# KiCad board bottom-board.kicad_pcb (continued)
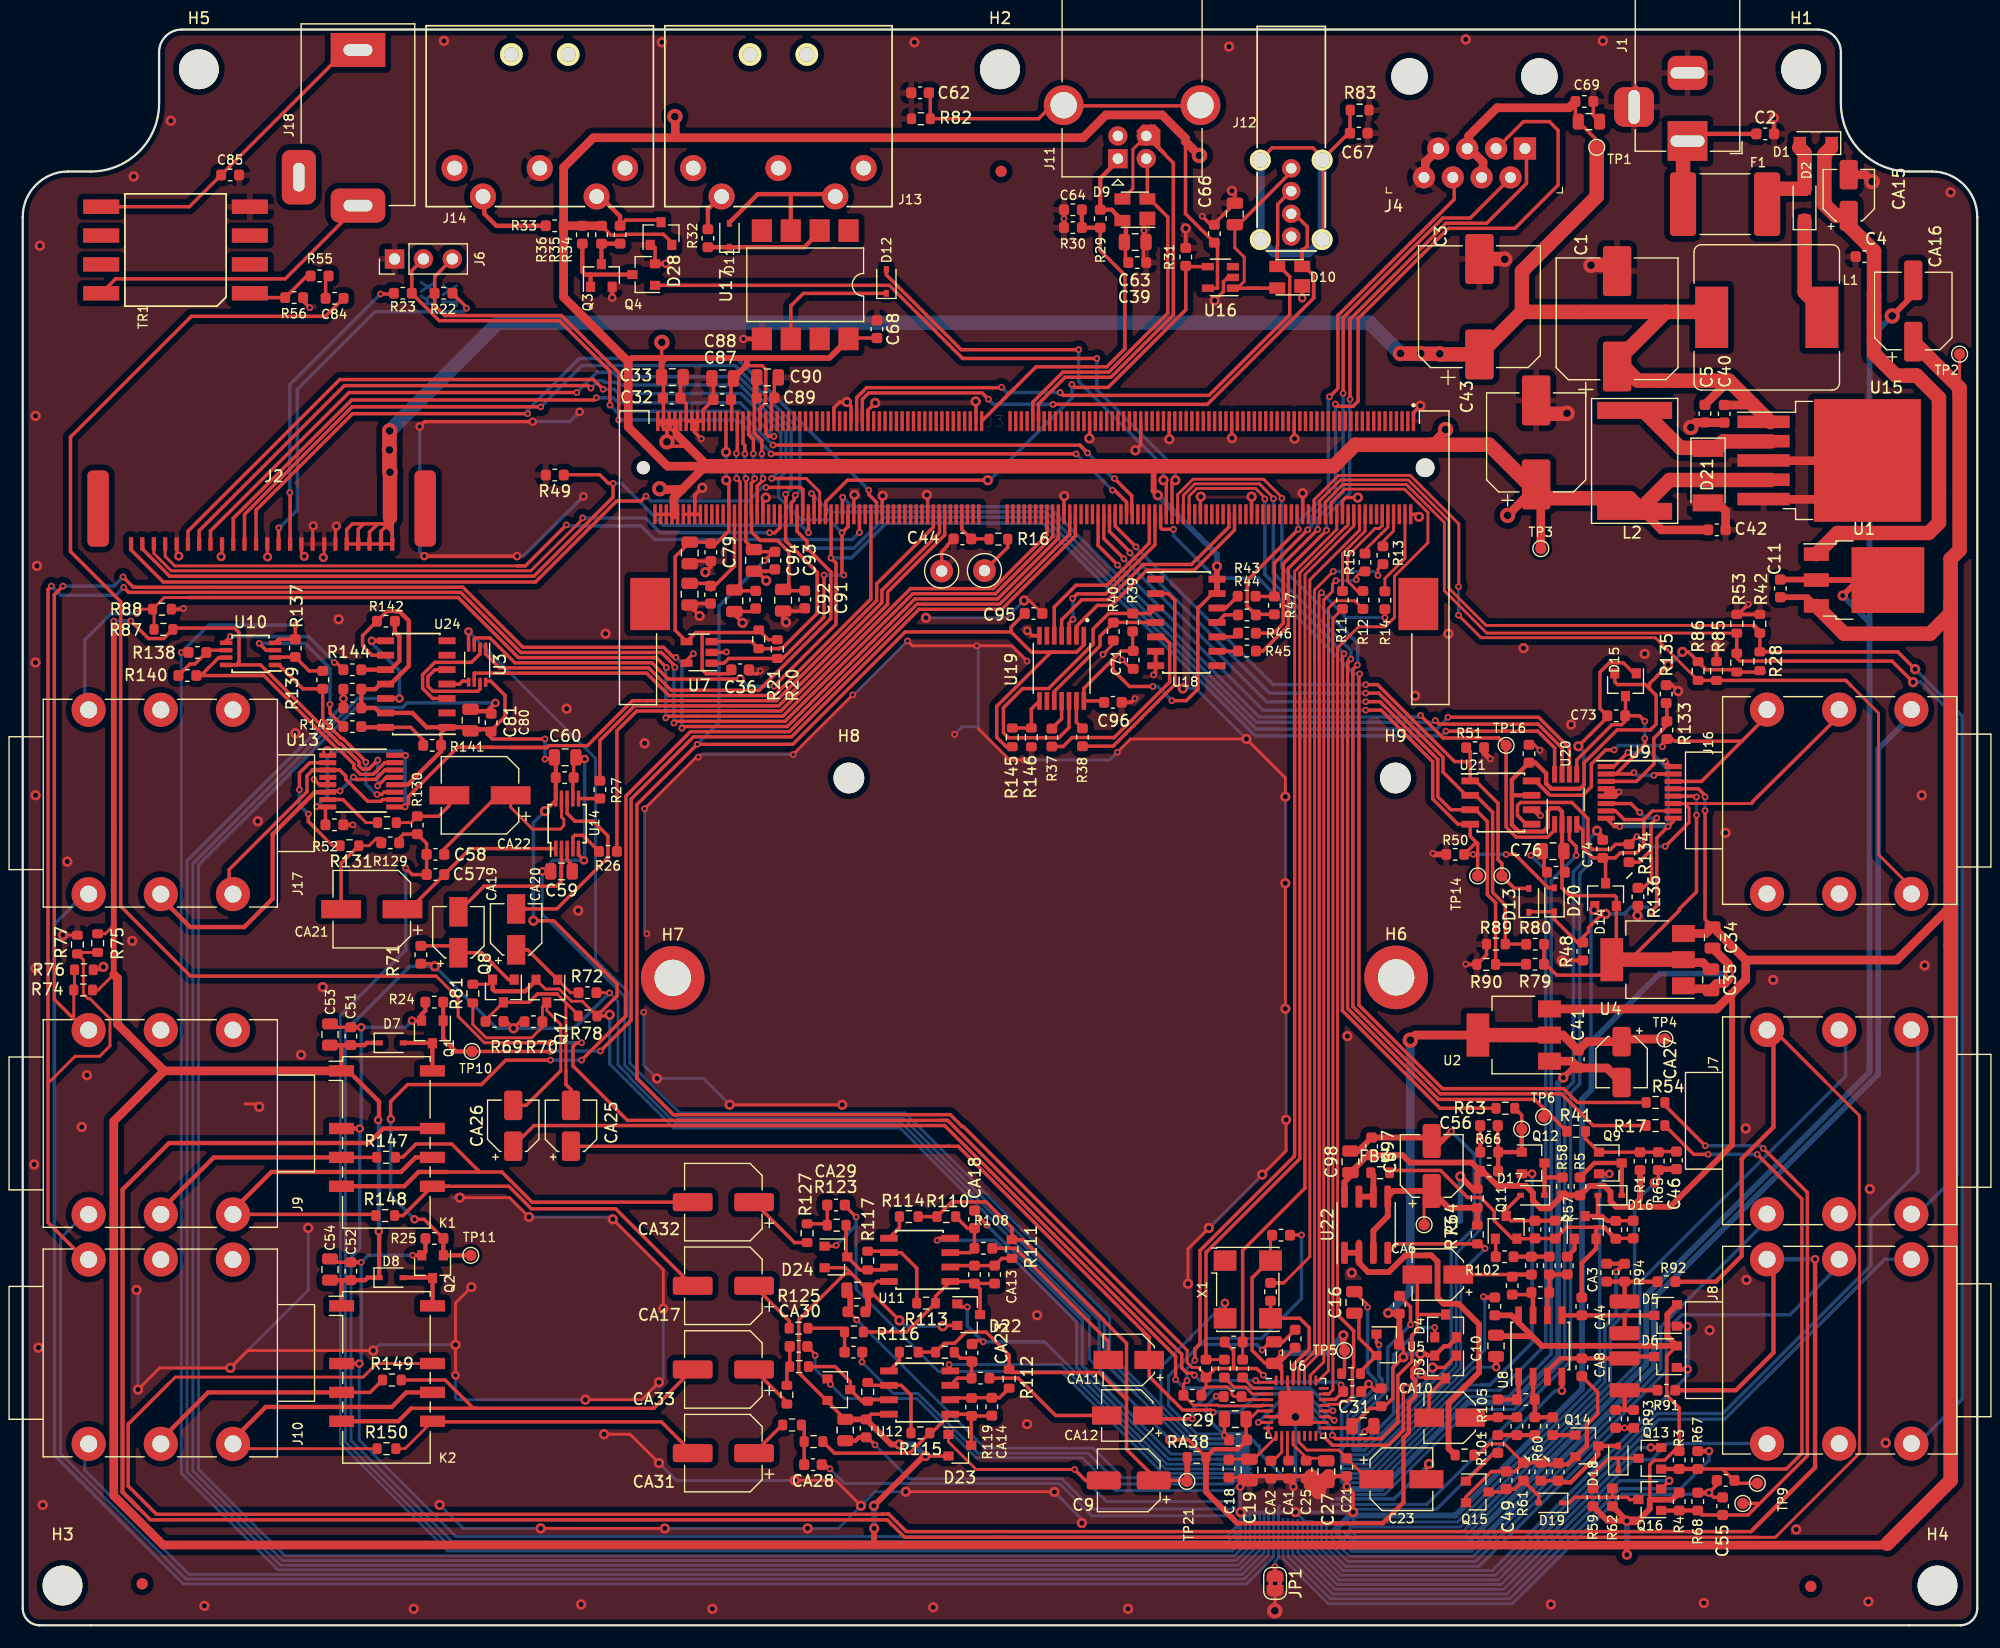
[diagram p0: board, top side]
## Routing (per net, layer and track width the routed paths; a pad name or vN(x,y) marks a point on that pad's centre or on a via; arc(x,y) is an arc through that point) (continued)
+5VD: length 357.2
  Top w0.305: 96.67,85.78 C71.1 97.67,85.83 R39.1 ; 96.67,85.78 95.95,85.06 95.95,84.11 97.39,82.66 v2(99.45,82.66) ; 96.67,85.78 93.37,82.49 U19.14 95.03,81.39 C96.1 ; J3.223 64.89,107.15 65.36,107.63 65.36,109.14 65.39,109.17 65.39,110.58 65.07,110.9 63.66,110.9 C88.1 62.33,109.57 C87.2 62.39,107.86 J3.233 ; U16.5 105.13,117.73 105.14,117.74 105.14,121.47 102.32,124.29 102.32,130.92 ; C33.1 56.39,109.73 J3.257 57.56,104.85 57.56,104.79 57.56,105.85 J3.253 56.69,105.32 v3(56.69,104.2) ; v3(56.69,104.2) 57.07,103.82 58.53,103.82 ; v3(56.69,104.2) 56.69,105.21 J3.259 J3.251 ; v3(56.25,112.96) 56.22,112.93 56.22,111.18 ; v2(101.13,81.41) 102.4,81.41 103.41,82.43 103.41,89.62 103.49,89.62 104.71,90.84 U18.13 ; U17.8 72.75,113.34 C68.2 ; J3.252 J3.260 ; 57.13,121.72 56.38,122.48 53.13,122.48 53.04,122.39 51.77,122.39 R35.1
  Top w0.508: 71.27,111.86 U17.8 70.98,111.58 63.73,111.58 ; U18.13 U18.14 105.09,92.11 v1(105.09,93.22) ; 53.28,111.25 53.61,111.58 56.61,111.58 ; 56.61,111.58 63.73,111.58 ; 56.61,111.58 56.22,111.18 C33.1 ; 63.73,111.58 63.73,110.97 C88.1 ; 99.52,102.05 99.52,99.86 v1(99.88,99.5)
  Top w0.762: 60.07,102.05 60.29,102.05 57.56,104.79 ; 60.07,102.05 58.02,100.01 ; 60.07,102.05 56.74,102.05 53.28,105.51 53.28,111.25 47.6,116.93 R33.2 ; R33.2 47.6,128.36 50.21,130.97 57.43,130.97 ; R33.2 R35.1 ; 58.02,100.01 56.12,100.01 v3(56.06,100.07) ; 58.02,100.01 57.31,99.29 57.31,97.75 ; v3(57.39,132.84) 57.43,132.8 57.43,130.97 ; 57.43,130.97 93.32,130.97 95.32,132.98 100.27,132.98 102.32,130.92 102.32,130.64 v3(103.55,129.41) ; C42.1 144.2,96.45 142.57,98.08 ; 133.73,99.27 133.59,99.13 TP3.1 ; v3(130.67,97.72) 132.19,99.24 133.16,99.24 ; 123.94,103.94 125.21,105.21 v3(125.21,105.28) 125.18,105.25
  Top w1.27: 142.57,98.08 141.41,99.24 133.41,99.24 ; L2.2 142.16,98.08 144.92,100.84 153.86,100.84 ; 129.47,103.53 133.73,99.27 129.05,103.94 117.26,103.94 115.37,102.05 60.07,102.05
  Bottom w0.305: v2(101.13,81.41) 99.88,82.66 v2(99.45,82.66)
  Bottom w0.508: v1(105.09,93.22) 105.09,94.29 v1(99.88,99.5)
+5VP: length 102.8
  Top w0.305: 141.45,58.6 145.79,62.95 145.79,63.08 147.29,64.58 v2(147.29,71.33) ; 143.16,82.45 143.74,81.88 143.74,79.34 143.23,78.83 140.31,78.83 137.4,75.93 137.4,74.03 137.01,73.64 ; 143.16,82.45 142.79,82.83 140.33,82.83 140.1,83.06 D15.2 ; 143.16,82.45 143.16,82.91 143.81,83.56 ; 143.81,83.59 v1(144.79,84.56) ; R80.2 133.87,59.95 R79.2 134.03,58.2 134.99,57.25 138.92,57.25 ; 140.24,59.01 D14.2 140.24,64.08 140.08,64.24 136.13,64.24 135.46,64.91 135.46,66.75 ; R28.2 153.12,84.06 153.25,83.93 R84.2 150.62,84.14 148.13,84.14 R86.2 146.57,85.71 v1(146.06,85.71) ; v2(147.29,72.93) 147.22,73 U9.12
  Top w0.381: 137.01,73.64 134.52,73.64 134.06,74.1 134.06,75.02 133.12,75.95 C77.2 131.05,74.45 131.05,73.07 ; 131.05,73.07 U21.7 ; 131.05,73.07 131.05,70.48 131.64,69.88 133.82,69.88 134.21,70.27 134.21,71.68 134.46,71.93 135.15,71.93 135.46,71.62 U20.2 135.46,68.35 135.46,68.35 135.46,66.75
  Top w0.762: U4.2 146.39,58.35 147.84,58.35 148.57,57.61
  Top w1.27: U4.2 U4.2
  Bottom w0.305: v1(144.79,84.56) 144.92,84.56 v1(146.06,85.71) ; v2(147.29,72.93) v2(147.29,71.33)
+10V: length 710.4
  Top w0.254: R75.2 7.27,60.89 8.01,61.63 ; 8.01,57.31 6.64,55.94 R74.2 ; TP2.1 170.44,108.94
  Top w0.305: D24.2 72.41,31.48 72.93,30.96 ; U13.13 31.98,74.65 v2(31.23,73.9) ; C14.2 74.68,18.59 U12.8 ; v2(9.51,88.43) 11.06,86.88 12.4,86.88 R87.2 13.32,87.8 18.64,87.8 19.03,87.4 19.03,84.83 18.76,84.55 U10.8 20.93,84.55 26.32,79.16 ; 27.65,77.84 27.86,77.62 27.98,77.62 ; 27.65,77.84 27.67,77.81 ; 27.65,77.84 26.32,79.16 ; D22.2 81.03,26.4 v1(80.96,26.33) ; C38.1 70.82,19.69 D25.2 70.73,19.8 68.3,22.23 68.3,26.9 72.36,30.96 72.93,30.96 ; U9.13 147.46,73.65 148.04,73.07 v2(148.04,72.93) ; v1(77.15,26.84) 74.5,29.5 C13.1 ; D23.2 v1(79.44,14.9) ; U11.8 75.17,30.27 C13.1 ; D6.2 144.68,23.72 144.68,20.24 145.77,19.15 R3.1 145.29,15.34 144.49,14.54 143.57,14.54 143.18,14.14 143.18,11.06 ; 26.32,79.16 27.9,77.58 28.02,77.58 29.59,76.02 29.59,75.7 29.9,75.38 30.45,75.38 v2(31.24,76.18) ; 72.93,30.96 C13.1 ; v2(148.04,71.73) 148.04,62.16 C34.1 ; 74.52,7.07 72.91,7.07
  Top w0.381: v4(31.33,34.68) 31.37,34.64 D8.1 30.36,30.61 30.13,30.39 C52.2 28.06,30.39 ; C53.1 28.05,51.08 ; 28.05,51.08 28.87,51.08 C51.2 30.07,51.08 30.27,51.28 D7.1 ; 28.05,51.08 28.05,51.08 K1.1 28.65,48.82 31.35,46.11 31.35,44.56 v4(31.28,44.48) ; K2.1 28.06,30.39 28.06,30.39 ; 28.06,30.39 C54.1
  Top w0.508: 74.39,27.64 74.39,29.49 ; v1(74.9,10.53) 79.28,14.9 v1(79.44,14.9) ; 8.01,57.31 v2(8.01,88.42) ; R2.1 128.48,39.99 129.78,38.69 132.28,38.69 132.9,38.07 132.9,37.4 133.59,36.71 134.35,36.71 R58.1 135.5,37.85 R5.1 137.87,38.68 139.19,38.68 139.73,38.15 139.73,37.34 140.22,36.84 141.63,36.84 ; R2.1 128,39.73 R64.1 127.62,38.41 v1(126.51,39.52) ; R2.1 127.51,40.74 122.09,40.74 121.44,41.39 C97.2 118.38,41.39 C98.1 116.84,39.57 116.31,39.04 116.31,37.75 U22.8 ; 132.83,25.46 133.68,24.6 D6.2 144.73,25.44 144.73,27.38 D5.2 ; 132.83,25.46 129.73,25.46 C10.1 ; 132.83,25.46 131.64,26.65 ; R4.1 145.15,11.06 143.18,11.06 143.18,10.24 142.14,9.2 ; 131.64,26.65 130.99,27.29 C37.2 ; 131.64,26.65 U8.8 ; U1.3 157.07,90.52 C11.1 ; v1(141.17,6.22) 141.17,7.06 ; v1(74.93,8.53) 74.91,8.52 74.91,7.07 ; C38.1 C14.2 76.42,15.92 v1(77.15,15.92) ; 141.63,36.84 142.32,37.53 R1.1 ; 141.63,36.84 144.97,36.84 150.42,42.28 150.42,55.62 ; R62.1 139.9,10.47 v1(141.17,9.2) 139.46,9.2 R59.1
  Top w0.762: 151.63,58.57 C34.1 148.11,60.9 U4.3 ; 151.63,58.57 164.92,58.57 169.66,63.3 169.66,65.59 ; 151.63,58.57 151.63,56.83 149.06,54.27 U2.3 ; 12.45,48.82 8.34,52.92 8.34,56.98 8.01,57.31 ; 12.45,48.82 8.01,44.38 8.01,11.41 12.35,7.07 116.25,7.07 116.26,7.06 163.96,7.06 164.07,7.17 ; 12.45,48.82 K1.1 ; 142.14,9.2 v1(141.17,9.2)
  Top w1.27: 169.66,93.88 169.73,93.95 ; 169.66,93.88 170.44,94.67 170.44,108.94 CA16.1 ; 169.66,93.88 169.66,89.95 ; 169.66,89.95 169.66,12.76 164.07,7.17 ; 169.66,89.95 169.66,89.11 167.85,87.31 160.28,87.31 U1.3
  Bottom w0.305: v2(31.23,73.9) 31.23,76.17 v2(31.24,76.18) ; v2(148.04,72.93) v2(148.04,71.73) ; v1(80.96,26.33) 77.66,26.33 v1(77.15,26.84) ; v2(9.51,88.43) 8.02,88.43 v2(8.01,88.42)
  Bottom w0.381: v4(31.33,34.68) 31.35,34.7 31.35,44.41 v4(31.28,44.48)
  Bottom w0.508: v1(141.17,6.22) 141.17,6.22 v1(141.17,9.2) ; v1(126.51,39.52) 126.51,35.63 126.47,35.59 ; v1(77.15,15.92) 78.42,15.92 v1(79.44,14.9) ; v1(74.93,8.53) 74.93,10.5 v1(74.9,10.53)
+12V: length 222.8
  Top w0.305: 32.1,96.67 32.52,96.25 32.52,96.07 ; 32.1,96.67 32.15,96.67 32.24,96.76 ; 32.1,96.67 31.99,96.78 ; 32.24,96.76 32.29,96.81 ; 32.24,96.76 32.52,96.48 ; 32.24,96.76 32.22,96.78 31.99,96.78 ; 31.99,96.78 31.53,96.32 J2.23 ; 31.99,96.78 31.79,96.98 ; C70.1 136.64,132.65 C69.1 138.51,130.77 TP1.1 ; J2.22 30.52,96.25 31.25,96.98 ; J2.22 J2.21 ; J2.22 J2.23 ; 31.79,96.98 32.32,97.52 32.52,97.31 32.52,96.48 ; 31.79,96.98 31.25,96.98 ; 32.52,96.07 32.52,96.48 ; 32.52,96.07 J2.24 J2.23 ; J2.23 31.53,96.09 ; 30.01,96.98 29.02,96.98 28.51,96.48 J2.20 J2.21 ; 30.01,96.98 31.25,96.98 ; 30.01,96.98 29.52,96.5 J2.21
  Top w0.762: 128.51,127.57 128.51,128.84 127.24,130.11 127.24,131.12 129.73,133.61 136.08,133.61 C70.1 ; 152.29,107.45 152.28,107.44 C40.1 ; 150.15,109.59 148.03,107.47 C5.1
  Top w1.27: 144.59,115.64 131.93,115.64 ; 144.59,115.64 140.33,111.38 142.12,109.59 150.15,109.59 153.8,105.94 ; 144.59,115.64 148.84,115.64 ; v3(121.24,111.97) v3(123.02,111.97) 123.05,111.94 v3(124.7,111.94) 124.75,111.9 C3.1 131.93,115.64 ; 131.93,115.64 131.93,119.21 138.51,125.79 TP1.1 ; 32.32,97.52 v3(32.32,101.53) 32.27,101.58 v3(32.27,103.49) 32.27,105.14 v3(32.29,105.16)
  Bottom w1.27: v3(124.7,111.94) 121.27,111.94 v3(121.24,111.97) 118.53,114.69 41.82,114.69 v3(32.29,105.16) 32.32,105.14 v3(32.32,101.53)
GNDA: length 4391.8
  Top w0.25: 116.9,41.39 116.88,41.41
  Top w0.254: 105.01,20.15 105.02,20.14 C22.1 ; R72.1 51.61,55.7 v2(51.63,55.68) ; U6.30 111.3,21.06 111.41,20.95 111.41,19.75 U6.33 113.3,17.86 U6.18 ; v2(71.03,13.77) 70.66,14.14 CA28.1 ; v2(71.08,21.22) 70.82,21.48 D25.1 ; D23.1 81.47,16.15 83.9,13.72 v2(92.57,13.72) ; CA2.2 109.46,12.91 109.45,12.92 CA1.2 ; C19.2 107.69,13 C18.1 ; v2(81.52,22.96) 81.63,22.85 U12.4 ; v2(110.2,5.16) 110.2,4.35 JP1.1 ; v2(73.85,23.18) 73.87,23.21 CA24.1 ; C12.1 72.68,27.6 v2(73.39,26.89) ; v2(118.35,28) 118.35,28.21 C16.2 ; CA30.1 69.73,23.87 v2(69.73,23.76)
  Top w0.305: v2(112.53,34.37) 112.53,34.36 111.7,34.36 ; U11.4 80.65,34.08 v2(80.46,33.89) ; v2(118.09,17.05) 118.58,17.53 C31.2 ; v4(116.53,12.2) 117.08,11.65 v1(117.08,9.96) ; v1(36.26,58.02) 36.03,58.25 R71.1 ; v1(138.54,69.96) 139.04,69.46 C74.2 ; C76.2 133.08,68.15 v2(132.71,67.79) ; v2(92.57,13.72) 93.53,12.76 C9.2 ; U14.7 48.41,74.56 C61.2 48.48,76.27 ; U20.3 136.11,69.17 136.71,68.57 v2(136.71,67.79) ; C14.1 74.33,16.55 v2(75,15.88) ; D24.1 71.51,33.38 v2(71.59,33.46) ; C55.1 148.81,11.26 v4(148.39,11.68) 149.08,12.37 C45.1 ; D3.1 125.11,22.7 v1(124.06,22.7) ; C54.2 27.34,31.96 C52.1 ; U22.4 120.92,33.59 R73.2 128.28,33.59 v2(128.69,33.18) ; C51.1 27.34,52.66 C53.2 ; v2(84.52,24.96) 84.41,25.06 83.5,25.06 ; v4(128.26,42.67) 128.26,43.99 C56.1 ; 72.35,36.94 v2(73.34,35.95) ; v1(138.28,62.98) 138.34,63.04 D14.1 ; C23.2 123.52,13.97 v1(123.76,14.21) ; v4(118.44,21.25) 119.03,20.67 119.45,20.67 ; D15.1 141.78,83.82 140.85,84.74 139.63,84.74 138.8,83.91 138.8,80.72 C73.2 139.44,79.94 v1(136.89,77.4) ; X1.2 105.8,28.38 v4(105.8,28.39) ; CA18.2 83.75,36.33 v2(84.85,35.24) ; U6.33 112.05,18.39 v3(112,18.35) ; U6.33 111.3,18.36 U6.6 ; U6.33 111.3,19.86 ; v2(122.12,26.47) 122.12,28.03 C15.2 ; v1(143.62,38.97) 143.93,39.28 R65.1 ; 133.88,68.19 133.88,68.35 133.88,66.75 ; v2(24,88.07) 23.99,88.05 R137.1 22.52,86.82 U10.4 ; D22.1 82.52,28.02 v2(83.12,28.02) ; U14.5 48.91,67.83 v4(49.39,67.35) ; R138.1 v2(13.95,85.66) ; v2(119.34,24.7) 119.13,24.91 U5.1 ; v4(39.23,87.51) 39.23,87.5 39.23,86.23 ; D4.1 124.26,26.22 v2(124.25,26.22) ; v4(144.89,12.73) 144.89,12.73 Q16.2 ; v2(33.7,66.67) 34.27,66.1 C57.1 C58.1 35.54,68.83 R130.2 33.51,69.66 33.13,69.28 ; C28.1 v2(105.75,16.72) C29.2 ; R70.1 43.77,53.14 v1(43.19,52.56) 42.58,53.17 R69.1 ; v2(109.08,24.24) 109.8,24.96 C26.2 110.92,24.96 C24.1
  Top w0.381: R93.1 v2(140.97,17.38) CA7.1 ; CA3.1 R94.1 140.93,31.84 v2(140.22,31.12) ; C14.1 73.58,16.55 73.28,16.25 C38.2 ; K2.3 v4(29.62,23.04) ; v4(41.6,81.21) 40.89,80.5 40.89,80.49 40.88,80.48 39.23,80.48 ; Q9.2 139.62,39.76 v4(139.62,39.75) ; v4(135.45,20.64) 135.45,20.64 U8.4 ; 46.62,66.38 v4(45.72,66.38) ; C20.1 118.44,21.24 v4(118.44,21.25) ; v2(29.79,31.96) 29.78,31.96 C52.1 ; U24.8 v4(30.72,86.68) ; R67.1 148.39,15.34 v4(148.39,15.34) ; v4(107.14,12.2) 107.14,12.21 107.14,13.13 C21.1 116.52,12.21 v4(116.53,12.2) ; C37.1 128.58,28.87 128.58,28.89 v2(128.53,28.94) ; D5.1 v4(146.49,26.33) ; 111.83,13.13 111.83,12.21 v4(111.82,12.2) ; R66.1 128.26,42.67 v4(128.26,42.67) ; v2(34.32,32.57) Q2.2 35.44,32.9 R25.2 ; C82.1 v4(28.22,81.59) C83.1 ; K1.3 v4(29.65,43.74) ; 48.48,76.27 49.45,76.27 v4(49.45,76.27) ; 144.19,15.65 v4(143.27,15.65) ; v4(132.83,39.76) Q12.2 ; R68.1 148.39,11.68 v4(148.39,11.68) ; v4(29.79,52.65) 29.79,52.66 C51.1 ; 145.57,22.54 v4(146.52,22.54) ; R24.2 35.43,54.12 35.1,53.79 Q1.2 34.26,53.24 v4(34.26,53.23) ; U24.12 v4(33.15,81.6)
  Top w0.508: 72.82,27.64 72.82,29.2 C13.2 ; 129.66,23.77 129.66,22.73 v4(129.66,22.72) ; R65.1 144.01,40.16 C46.1 ; 123.99,42.41 124.63,42.41 v2(125.71,43.49) ; v1(160.16,90.66) 161.53,92.03 U1.2 U1.2 157.8,92.07 C11.2 ; C41.2 136.42,49.07 v1(135.57,48.22) ; C98.2 117.52,41.76 118.7,42.94 123.69,42.94 C6.2 ; v3(164.51,115.28) 166.37,117.14 CA16.2
  Top w0.762: C34.2 150.1,58.22 150.1,56.83 149.77,56.5 149.04,56.5 148.57,56.04 146.4,56.04 U4.1 ; U2.1 136.29,49.67 C41.2 139.42,49.07 CA27.2
  Top w1.27: 114.95,13.13 114.03,12.21 114.03,11.74 113.39,12.38 113.39,13.13
  Bottom w0.254: 126.54,31.01 126.54,22.66 118.46,14.59 116.25,14.59 ; 116.06,13.44 116.15,13.35 118.96,13.35 126.77,21.16 128.36,21.16 ; v2(13.95,85.66) 13.95,13.39 ; 109.03,25.25 104.15,25.25 103.55,24.65 ; 109.64,9.96 109.64,6.22 107.52,4.1 107.52,4.07 14.37,4.07 3.34,15.11 3.34,34.07 5.46,36.19 ; 109.64,9.96 110.08,9.96 ; 109.64,9.96 109.24,9.96 ; 116.93,8.27 117.36,7.84 126.95,7.84 127.51,8.41 ; 116.93,8.27 116.79,8.41 116.79,8.95 ; 116.93,8.27 126.74,8.27 127.21,8.74 ; 109.24,7.26 109.24,6.39 108.52,5.67 108.51,5.67 107.31,4.48 14.64,4.48 5.46,13.66 5.46,16 ; 109.24,7.26 109.24,6.45 ; 109.24,7.26 109.24,9.96 ; 127.64,6.07 116.75,6.07 115.16,7.66 115.16,8.29 115.73,8.86 ; 27.95,53.7 27.95,16 37.41,6.53 106.44,6.53 107.17,7.27 107.17,8.36 ; 116.06,13.81 116.1,13.77 118.79,13.77 127.74,22.72 v4(129.66,22.72) ; 110.08,9.96 v1(112,9.96) 112.82,9.14 113.48,9.14 ; 110.08,9.96 110.08,6.03 107.69,3.64 14.13,3.64 9.65,8.12 ; 97.67,17.8 100.85,14.62 105.09,14.62 ; 130.43,4.57 129.85,3.99 115.84,3.99 113.07,6.76 113.07,9.13 ; 107.17,8.36 107.17,7.97 ; 107.17,8.36 107.17,8.6 ; v2(73.34,35.95) 73.34,29.58 80.56,22.36 91.36,22.36 100.35,13.37 108.14,13.37 ; 100.17,19.37 95.65,23.9 95.65,27.11 77.66,45.1 57.83,45.1 53.41,49.52 53.41,55.61 50.42,58.6 50.42,76.32 v4(39.23,87.51) ; 100.17,19.37 103.12,16.43 103.63,16.43 ; 100.17,19.37 100.17,22.76 v4(105.8,28.39) ; 111.34,9.32 111.34,6.05 115.05,2.34 130.86,2.34 131.77,3.25 ; v2(73.39,26.89) 84.68,15.6 94.19,15.6 96.81,12.99 108.1,12.99 ; 114.73,8.91 114.73,7.49 116.59,5.63 127.85,5.63 ; 114.73,8.91 115.15,8.91 ; 114.73,8.91 114.32,8.91 114.3,8.93 ; 116.79,8.95 117.08,8.65 126.48,8.65 126.78,8.95 ; 116.79,8.95 116.57,9.16 ; 112.2,9.25 112.2,6.45 115.47,3.18 130.33,3.18 131.21,4.05 ; 106.65,10.9 95.38,10.9 v2(92.57,13.72) ; 103.44,15.98 102.99,15.98 98.31,20.67 ; 109.24,9.96 108.85,9.96 ; 108.85,9.96 108.85,6.61 107.12,4.88 22.46,4.88 14.39,12.95 ; 108.85,9.96 108.44,9.96 ; 107.17,8.6 v1(107.17,9.96) ; 107.17,8.6 106.7,8.6 105.9,7.8 38.13,7.8 29.62,16.31 v4(29.62,23.04) ; 13.95,13.39 14.39,12.95 ; 13.95,13.39 14.39,12.95 ; 116.26,12.47 116.33,12.54 119.33,12.54 126.93,20.14 130.76,20.14 ; 114.3,8.93 114.3,7.3 116.39,5.2 128.14,5.2 ; 114.3,8.93 113.99,8.93 ; 105.99,16.85 103.32,16.85 100.82,19.35 100.82,21.93 ; v2(51.63,55.68) 52.38,54.94 52.38,49.34 53.41,48.3 53.41,48.23 57.45,44.2 77.36,44.2 94.73,26.83 94.73,26.23 ; 131.25,19.01 127.33,19.01 119.82,11.5 116.15,11.5 ; 107.14,10.79 107.14,10.8 ; 14.46,67.3 14.46,13.51 22.68,5.29 106.94,5.29 108.44,6.79 108.44,9.96 ; v2(84.52,24.96) 89.93,24.96 95.45,19.44 95.45,19.4 100.67,14.18 105.31,14.18 ; 130.16,4.96 129.6,4.4 116.01,4.4 113.48,6.93 113.48,9.14 ; v1(107.17,9.96) 108,9.96 ; v1(107.17,9.96) 107.17,9.62 ; 108,9.63 107.64,9.63 107.59,9.58 107.59,7.09 106.61,6.12 23.07,6.12 15.48,13.71 15.48,66.96 ; 108,9.63 108,6.92 106.78,5.7 22.88,5.7 14.97,13.61 14.97,67.06 ; 108,9.63 108,9.96 ; 112.63,9.16 112.63,6.62 115.66,3.59 130.12,3.59 130.83,4.31 ; 113.48,9.14 113.69,8.93 113.99,8.93 ; 108.44,9.96 108,9.96 ; 126.45,9.27 126.28,9.1 117.29,9.1 117.08,9.3 ; 108.06,13.76 100.56,13.76 91.36,22.96 v2(81.52,22.96) ; 106.72,7.97 106.73,7.96 ; 106.72,7.97 106.65,7.97 106.05,7.37 37.79,7.37 28.89,16.28 28.89,32.39 28.97,32.47 ; 106.72,7.97 107.1,7.97 ; 124.41,10.21 117.33,10.21 v1(117.08,9.96) ; 113.99,8.93 113.89,9.04 113.89,7.12 116.2,4.81 129.33,4.81 129.84,5.33 ; v2(110.2,5.16) 110.21,5.18 110.21,5.63 110.5,5.92 110.5,10.42 110.6,10.52 ; 116.72,15.01 118.31,15.01 126.15,22.84 126.15,32.72 128.26,34.84 v4(128.26,42.67) ; 116.06,14.19 116.08,14.18 118.62,14.18 128.66,24.23 128.66,28.84 ; 107.17,7.97 107.17,7.45 ; 107.17,7.97 107.1,7.97 ; v2(71.03,13.77) 72.31,12.49 78.39,12.49 78.41,12.48 91.25,12.48 94.08,9.65 106.56,9.65 ; 123.54,10.63 115.15,10.63 ; 106.97,12.71 106.69,12.71 106.43,12.45 96.45,12.45 93.74,15.16 84.07,15.16 81.79,17.44 81.75,17.44 78.78,20.42 76.62,20.42 v2(73.85,23.18) ; 131.46,3.62 130.59,2.75 115.28,2.75 111.77,6.25 111.77,9.25 ; 28.39,52.34 28.39,16.14 37.59,6.94 106.25,6.94 107.1,7.79 107.1,7.97 ; v4(107.14,12.2) 106.82,12.2 106.49,11.87 96.14,11.87 93.27,14.74 83.91,14.74 81.7,16.95 81.68,16.95 78.67,19.96 72.34,19.96 v2(71.08,21.22) 69.73,22.56 v2(69.73,23.76) ; 110.91,9.34 110.91,5.89 114.89,1.9 131.09,1.9 132.16,2.97 ; v2(75,15.88) 77.99,12.9 91.45,12.9 94.1,10.24 106.58,10.24 106.69,10.36 ; 98.09,20.24 102.78,15.55 103.22,15.55 ; 129.99,20.69 126.88,20.69 119.15,12.96 116.14,12.96 116.06,13.04 ; 97.85,18.26 101.03,15.08 103.03,15.08 ; v4(45.72,66.38) 45.72,62.6 52.97,55.35 52.97,49.32 57.66,44.63 77.51,44.63 95.18,26.96 95.18,26.84
  Bottom w0.305: 98.09,20.24 94.73,23.6 94.73,26.23 ; v2(83.12,28.02) 83.12,26.36 v2(84.52,24.96) 89.86,24.96 ; v2(80.46,33.89) 85.57,33.89 92.75,26.71 92.75,22.73 97.67,17.8 ; v4(148.39,11.68) 148.39,11.61 148.32,11.54 140.78,11.54 140.4,11.16 140.34,11.16 132.16,2.97 ; 124.41,10.21 134.84,20.64 v4(135.45,20.64) ; 116.06,15.55 116.06,18.87 v4(118.44,21.25) ; 116.06,15.55 116.57,16.06 116.57,18.47 119.11,21.01 119.11,21.52 118.35,22.28 v2(118.35,28) ; 116.06,15.55 116.06,12.67 v4(116.53,12.2) ; 120.63,18.62 120.63,23.81 123.05,26.22 v2(124.25,26.22) ; 120.63,18.62 117.64,15.63 117.33,15.63 ; 120.63,18.62 124.06,22.05 v1(124.06,22.7) ; 166.76,32.23 163.86,32.23 149.77,18.14 144,18.14 130.43,4.57 ; 98.31,20.67 95.18,23.79 95.18,26.84 ; v2(51.63,55.68) 48.51,52.56 v1(43.19,52.56) 41.72,52.56 v1(36.26,58.02) 34.08,58.02 29.09,53.03 29.08,53.03 28.39,52.34 ; 127.85,5.63 144.64,22.41 144.64,25.99 145.98,27.34 155.52,27.34 160.41,32.23 ; 117.59,15.93 117.59,15.68 ; 117.59,15.93 117.59,18.22 120.13,20.76 120.13,24.48 v2(122.12,26.47) ; 117.59,15.93 117.59,16.54 v2(118.09,17.05) ; v2(109.08,24.24) 108.62,24.7 108.62,24.72 103.62,24.72 100.82,21.93 ; v2(128.69,33.18) 128.69,33.15 126.54,31.01 ; 127.64,6.07 144.13,22.56 144.13,26.27 154.06,36.21 ; v1(117.08,9.96) 116.57,9.46 116.57,9.16 ; v1(117.08,9.96) v1(112,9.96) ; v1(117.08,9.96) 117.08,9.3 ; 130.76,20.14 134.5,23.88 134.5,65.56 136.48,67.55 136.48,67.56 v2(136.71,67.79) ; 129.84,5.33 146.52,22.01 v4(146.52,22.54) ; 97.85,18.26 93.25,22.87 93.25,26.84 v2(84.85,35.24) ; v2(34.32,32.57) 30.4,32.57 v2(29.79,31.96) 29.79,23.21 v4(29.62,23.04) ; 127.21,8.74 139.71,21.24 139.71,26.19 141.84,28.33 141.84,37.19 v1(143.62,38.97) ; 154.06,16 144.76,16 143.34,14.59 141.74,14.59 131.21,4.05 ; 128.14,5.2 140.32,17.38 v2(140.97,17.38) ; 127.51,8.41 142.3,23.2 142.3,30.23 160.41,48.34 160.41,52.44 ; 105.6,16.87 105.57,16.85 106.84,16.85 ; 105.09,14.62 107.88,14.62 ; v2(132.71,67.79) 134.02,66.48 134.02,24.72 129.99,20.69 ; 131.25,19.01 135.7,23.45 135.7,47.07 136.46,47.83 136.46,66.35 137.37,67.27 137.37,76.92 v1(136.89,77.4) ; 28.97,32.47 29.65,33.15 v4(29.65,43.74) 29.79,43.88 v4(29.79,52.65) 33.68,52.65 v4(34.26,53.23) ; 130.16,4.96 143.85,18.65 149.62,18.65 162.62,31.65 162.62,35.75 166.76,39.89 166.76,52.44 ; v2(24,88.07) 16.37,88.07 v2(13.95,85.66) ; v2(73.34,35.95) 73.34,35.21 v2(71.59,33.46) ; v4(144.89,12.73) 140.57,12.73 131.46,3.62 ; 126.78,8.95 139.23,21.39 139.23,26.32 ; 103.63,16.43 107.34,16.43 ; 106.84,16.85 107.67,16.85 108.73,15.79 ; 106.84,16.85 105.77,16.85 ; 103.03,15.08 107.82,15.08 ; 128.36,21.16 129.12,21.16 132.83,24.87 v4(132.83,39.76) ; v4(41.6,81.21) 33.81,81.21 33.41,80.8 29.32,80.8 15.48,66.96 ; 5.46,64.4 2.79,61.73 2.79,14.98 9.65,8.12 ; v4(49.45,76.27) 49.45,67.41 v4(49.39,67.35) 46.7,67.35 v4(45.72,66.38) ; v4(139.62,39.75) 138.78,38.91 138.78,21.6 126.45,9.27 ; 109.03,25.25 112.53,28.76 v2(112.53,34.37) ; 103.44,15.98 107.16,15.98 ; v2(33.7,66.67) 33.7,59.46 27.95,53.7 ; 138.06,51.39 138.01,51.44 138.01,62.71 v1(138.28,62.98) ; v1(138.54,69.96) 137.88,69.3 137.88,67.06 137.02,66.2 137.02,47.68 136.2,46.87 136.2,23.3 123.54,10.63 ; v1(107.17,9.96) 107.14,9.99 v4(107.14,12.2) ; 103.22,15.55 107.58,15.55 ; v4(28.22,81.59) 28.22,81.06 14.46,67.3 ; v2(105.02,20.17) 104.16,19.31 104.16,18.32 v2(105.75,16.72) ; 130.83,4.31 142.17,15.65 v4(143.27,15.65) ; 131.77,3.25 140.55,12.02 145.88,12.02 148.39,14.53 v4(148.39,15.34) ; 105.31,14.18 108.05,14.18 ; v1(123.76,14.21) 120.69,11.13 115.58,11.13 ; v3(112,18.35) 112,12.38 v4(111.82,12.2) 108.84,15.19 108.84,15.81 ; v4(30.72,86.68) 30.72,86.46 33.15,84.04 v4(33.15,81.6) 29.5,81.6 17.29,69.4 17.29,69.39 14.97,67.06 ; v2(125.71,43.49) 127.75,41.46 127.75,35.02 125.71,32.98 125.71,23.04 118.09,15.42 117.08,15.42 117.08,18.35 119.62,20.89 119.62,21.65 119.34,21.92 v2(119.34,24.7)
  Bottom w0.381: 128.66,28.53 128.66,28.81 v2(128.53,28.94) ; v2(140.22,31.12) 140.22,27.31 139.23,26.32
  Bottom w0.508: 162.52,52.13 162.52,87.53 ; 162.52,52.13 162.52,48.72 142.86,29.06 142.86,22.97 142.83,22.97 127.17,7.3 117.22,7.3 116.51,8.02 ; 162.52,52.13 162.52,48.7 ; v4(150.19,57.38) 144.04,57.38 138.06,51.39 138.06,47.17 137.22,46.34 137.22,20.82 126.06,9.66 117.38,9.66 v1(117.08,9.96) 115.97,8.86 115.73,8.86 115.73,7.91 117,6.64 127.44,6.64 143.55,22.74 143.55,28.81 145.07,30.33 145.09,30.33 163.28,48.52 163.28,77.15 166.76,80.63 ; v4(146.49,26.33) 146.49,22.57 v4(146.52,22.54) ; v4(116.53,12.2) 116.73,12 119.53,12 127.15,19.62 131.07,19.62 135.11,23.65 135.11,47.76 v1(135.57,48.22) ; v1(160.16,90.66) 162.52,88.3 162.52,87.53 ; 162.52,87.53 162.52,113.29 v3(164.51,115.28)
  Bottom w1.27: 107.34,16.43 107.34,13.28
GNDD: length 617.3
  Top w0.25: v5(13.73,94.14) 13.55,94.32 J2.5 ; v5(24.77,94.11) 24.52,94.37 J2.16 ; v5(25.56,96.81) 25.51,96.76 J2.17 ; v5(26.45,94.01) 26.53,94.09 J2.18 ; J2.19 27.52,96.7 v5(27.59,96.78) ; v5(17.46,94.09) 17.54,94.16 J2.9 ; v5(21.55,94.06) 21.52,94.09 J2.13
  Top w0.254: R76.1 6.84,57.72 v1(7.1,57.97) ; 84.08,78.95 86.85,76.18 v2(88.12,76.18) ; v2(88.38,84.89) 87.03,86.24 v2(83.96,86.24) 78.29,86.24 v2(77.86,86.67) ; v1(39.48,29.78) 38.08,28.38 v1(38.08,24.7) v4(38.08,22) ; v1(73.77,10.53) 71.54,12.76 v1(67.93,12.76) ; v2(73.03,81.92) 67.8,76.69 v2(67.8,76.66) ; v1(111.11,72.96) 111.11,74.61 v1(107.68,78.04) 97.5,78.04 v2(96.33,76.87) ; R77.1 v1(3.54,60.76) ; U18.7 99.7,83.87 v2(99.5,83.67) ; v1(45.58,8.53) v1(56.5,8.53) ; v1(55.99,21.39) 54.46,19.86 v1(49.51,19.86) ; 19.54,45.9 20.56,45.9 v1(20.81,45.65) ; v1(44.55,35.95) 42.85,37.65 v1(38.47,37.65) ; v1(10.14,20.76) 12.05,22.66 v1(18.27,22.66) 19.8,24.19 v1(30.85,24.19) ; C71.2 97.55,84.21 v2(96.75,85.01) ; v1(55.99,14.28) 53.45,16.82 v1(51.17,16.82) ; C77.1 133.03,77.52 v2(133.51,77.04) ; C95.2 88.58,90.23 v1(88.12,90.23) ; v1(111.18,44.51) 111.18,41.78 v1(109.08,39.68) ; v1(51.93,35.74) 56.37,31.3 v1(56.37,27.87) ; v1(111.11,54.29) v1(111.11,65.34) ; v1(62.21,45.83) v1(72.12,45.83) ; v1(77.71,11.76) 90.77,11.76 v1(90.79,11.74) ; 95.97,86.39 v2(95.06,85.48) ; v2(54.72,71.89) 59.27,76.44 v2(59.45,76.44) ; v1(102.54,30.08) 102.54,33.14 v1(104.38,34.98)
  Top w0.305: 66.05,107.98 C89.1 ; C89.1 66.14,109.52 C90.2 ; C89.1 65.89,107.82 J3.219 ; v4(34.93,105.54) 35.37,105.98 v4(44.87,105.98) ; v1(93.86,104.5) 93.89,104.52 J3.115 ; U18.6 U18.7 ; C88.2 60.78,109.65 C87.1 59.89,107.03 J3.243 59.11,106.02 ; v1(123,107.37) 122.39,106.76 J3.1 ; R52.2 v2(29.04,70.48) ; v1(67.17,88.31) 66.91,88.56 C92.2 68.58,89.3 C91.1 ; v2(25.64,74.48) 26.12,74 U13.5 U13.4 ; J3.250 J3.246 ; J3.246 59.14,99.5 ; J3.246 59.14,99.49 v1(59.8,100.16) ; J3.97 98.39,103.92 v1(97.92,103.45) ; C70.2 138.21,132.95 C69.2 ; C44.2 81.37,95.1 81.37,95.02 80.86,94.51 TP18.1 ; 59.11,106.02 J3.249 58.39,107.54 C32.1 57.88,109.66 C33.2 ; 59.11,106.02 59.11,105.07 v2(59.71,104.46) ; R31.1 v1(102.35,122.99) ; U9.5 U9.4 ; v1(111.92,104.48) 111.89,104.51 J3.43 ; v1(145.68,82.25) 145.15,82.78 R135.2 ; v1(73.19,99.52) 73.14,99.47 J3.190 ; v4(88.4,87.56) 88.83,87.13 U19.7 ; v1(75.02,107.63) 74.39,107 J3.185 ; Q4.2 55.65,121.31 55.23,121.72 ; v1(59.56,88.87) 58.68,89.74 C78.2 58.81,89.96 C72.1 ; v1(75.68,99.45) 75.64,99.41 J3.180 ; R85.1 149.06,86.39 v2(149.08,86.42) ; C93.1 66.03,92.81 C94.2 64.6,92.81 v1(65.43,91.98) ; J3.191 72.89,107.34 v1(72.53,107.7) 71.89,107.7 71.39,107.2 J3.197 ; J3.87 100.89,104.44 v1(100.9,104.43) ; v1(112.63,99.68) 112.64,99.67 J3.40 112.64,99.4 112.66,99.42 ; v1(106.41,104.53) 106.39,104.55 J3.65 ; 106.66,125.05 106.66,126.04 v1(106.41,126.3) ; R136.2 142.14,62.53 v1(142.1,62.49) ; J3.147 83.89,107.72 v1(83.86,107.75) ; v1(104.89,116.64) 105.66,117.42 105.66,118.29 106.05,118.68 U16.2 ; v2(25.26,116.01) 24.67,116.59 R56.2 ; 98.66,121.84 98.62,121.8 98.62,120.08 ; v1(117.49,99.29) 116.43,99.29 116.14,99 J3.26 ; v1(108.14,99.37) 108.14,99.37 J3.58 ; v2(151.85,89.9) 150.96,89.01 R53.1 R42.1 ; J3.124 91.64,99.4 v1(91.65,99.42) ; 63.74,83.78 64.65,83.78 v2(64.91,84.03) ; J3.222 65.14,99.03 v1(65.39,99.28) ; JP1.2 110.21,1.3 v3(110.18,1.28) ; J3.2 122.65,97.82 v1(122.87,97.59) ; v2(61.92,85.69) 61.89,85.66 U7.2 ; U7.5 58.42,84.94 v2(59.01,85.54) ; v2(97.88,81.59) 97.55,81.26 C96.2 ; v2(126.98,58.21) 127.01,58.19 R90.1 128.81,59.04 R89.1 ; J3.76 103.64,99.34 v1(103.67,99.37) ; v1(154.1,132.71) 154.11,132.7 C2.2 ; v2(103.79,124.06) 104.54,123.31 C65.2 104.86,123.41 C66.1 ; C86.2 58.92,93.69 C79.1 60.55,93.2 v1(60.07,92.72) ; R88.1 14.06,89.47 ; v4(35.34,94.14) v4(43.49,94.14) ; R48.2 135.46,58.54 v1(135.44,58.55) ; J3.244 58.81,97.82 ; J3.164 79.64,99.44 ; C7.1 64.5,89.45 64.7,89.25 C8.2 62.62,88.98 v1(63.34,88.26)